# KiCad board 2000ATX.kicad_pcb (continued)
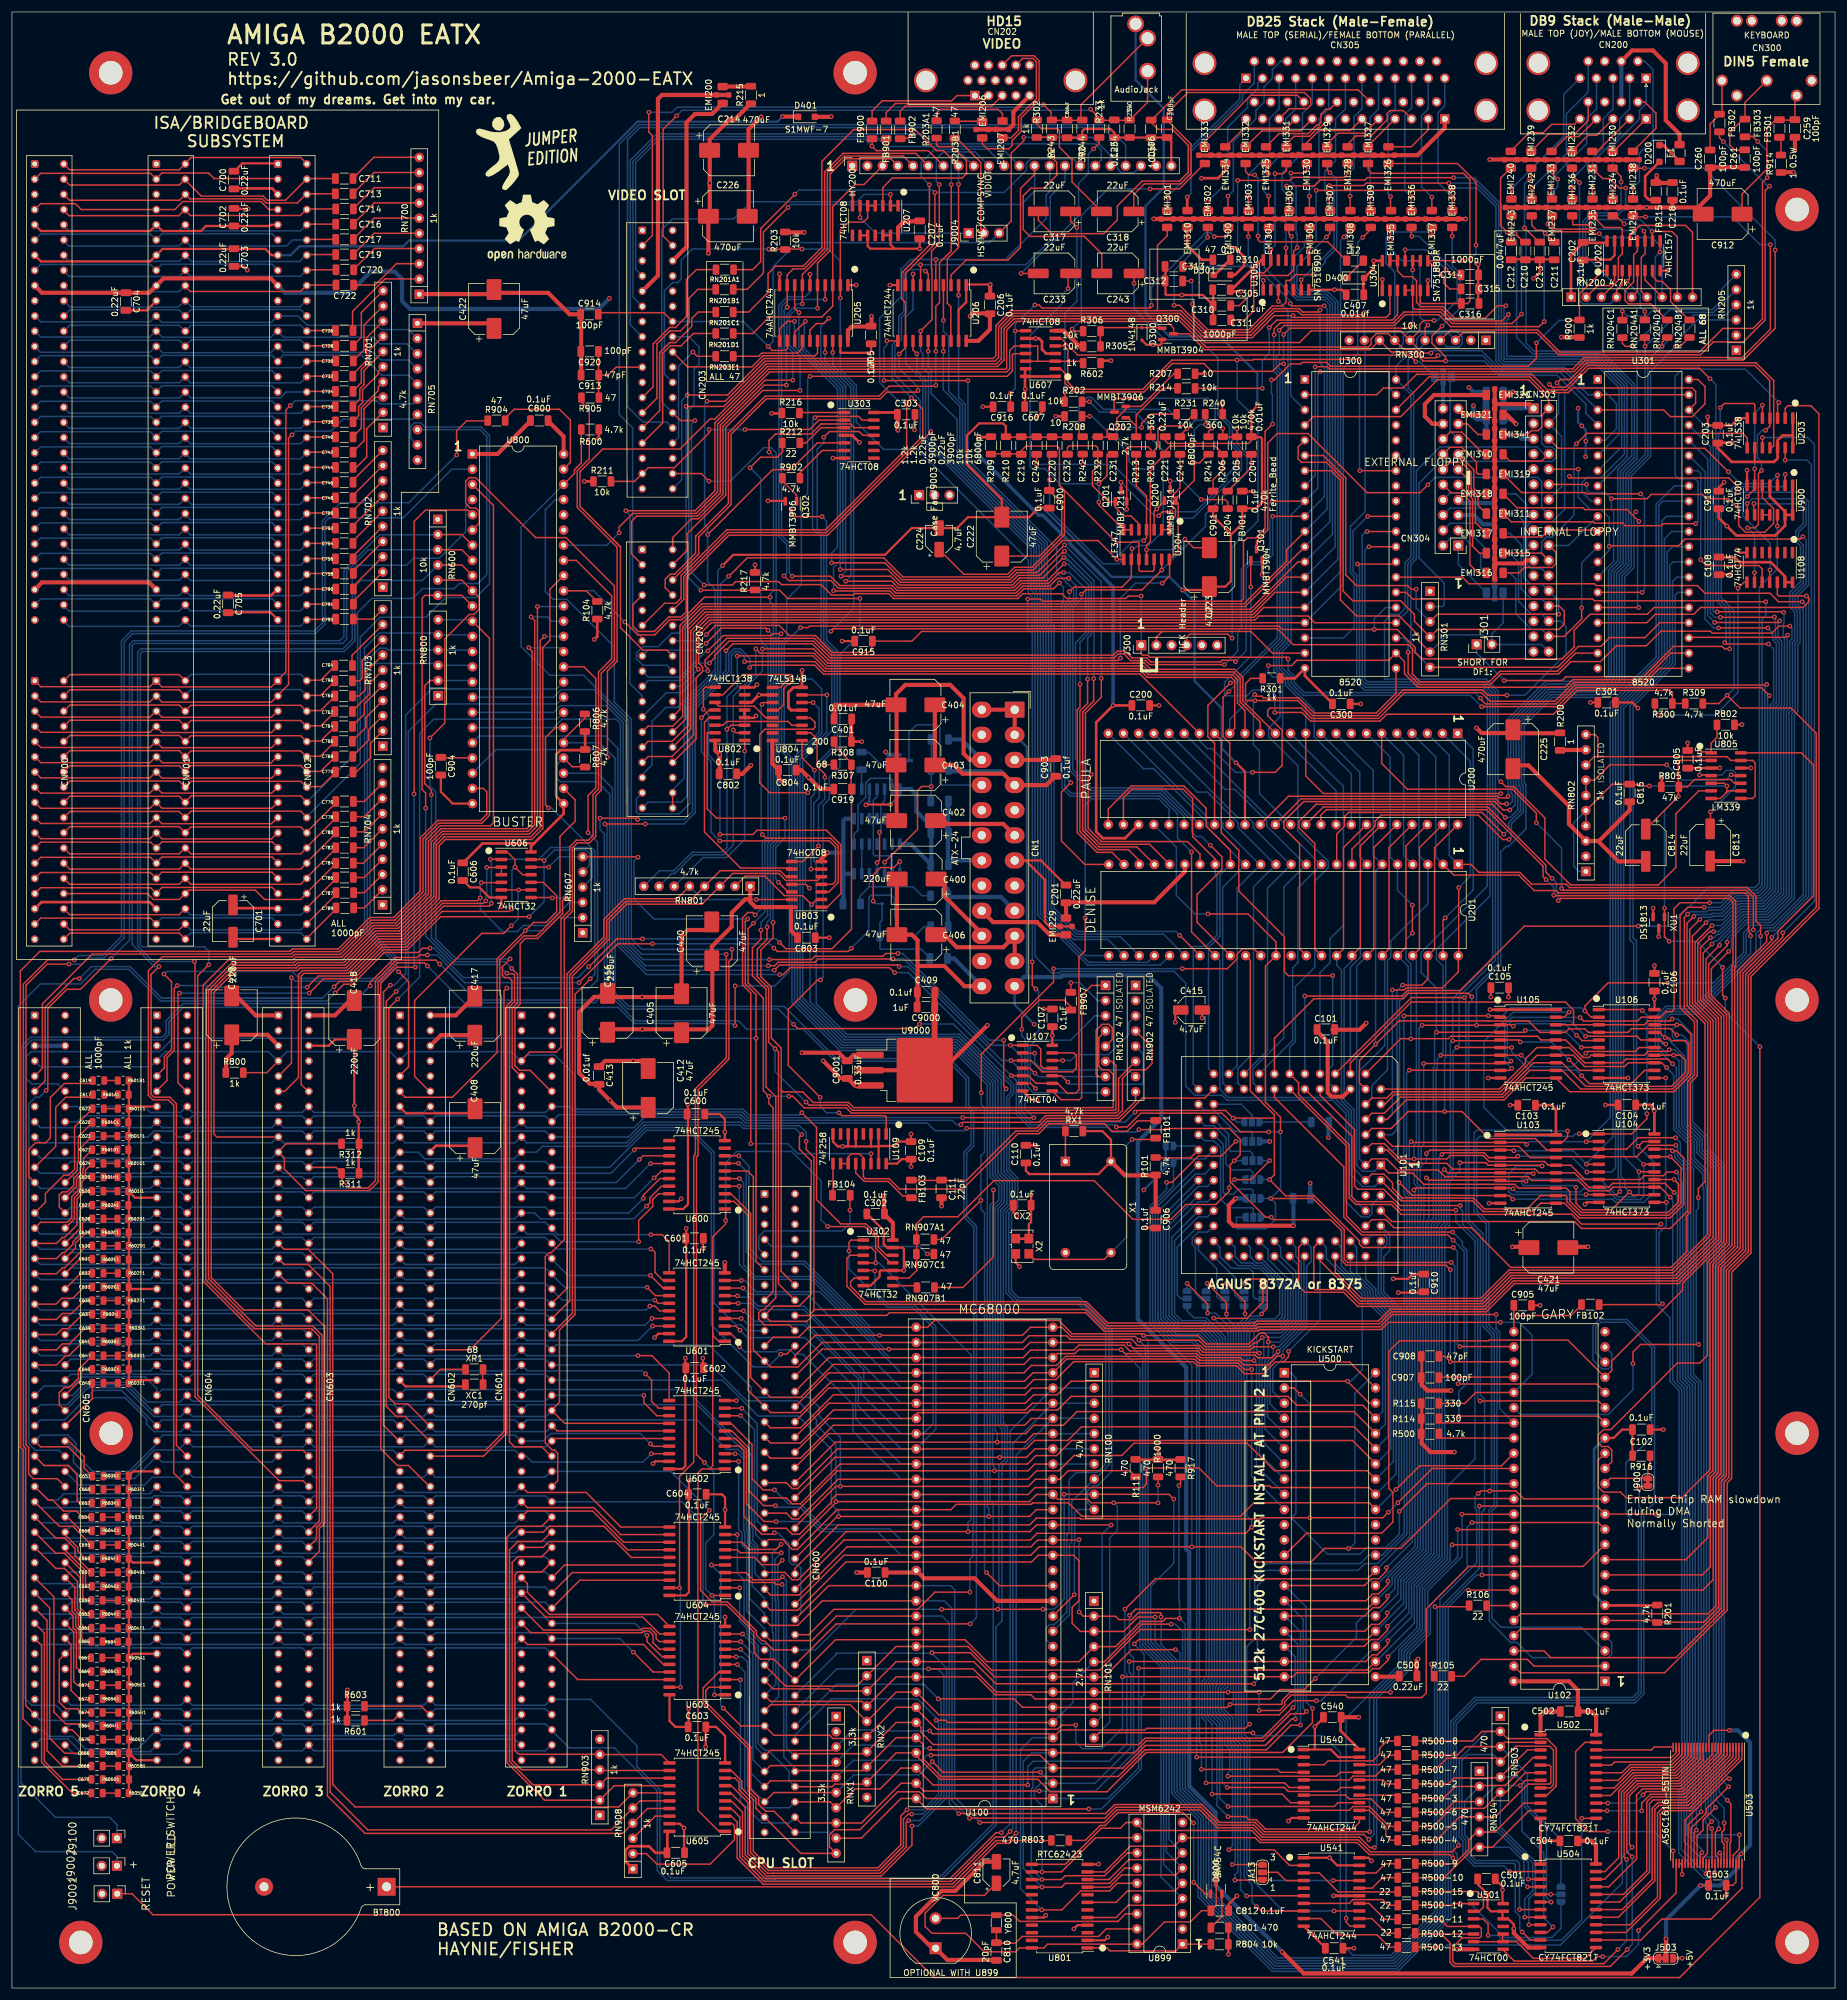
[diagram p0: board, top side]
## Nets (continued)
_UDS: CN600.72 JA10.3 JA11.1 RN101.8 U100.7 U102.11 U605.8
_VC1: CN203.34 CN600.16 RN102.6
_VC3: CN207.17 CN600.14 RN102.4
_VMA: CN600.51 CN601.51 CN602.51 CN603.51 CN604.51 CN605.51 RN101.9 U100.19 U302.2 U302.4
_VPA: CN600.48 CN601.48 CN602.48 CN603.48 CN604.48 CN605.48 R105.1 R1000.2 RN101.10 U100.21
_VSYNC: CN203.26 J300.1 U101.79 U207.1 U207.2
_WE: U101.21 U541.11
_XCLKEN: CN203.16 R217.1 U109.1
A1: CN600.29 U100.29 U101.60 U500.10 U600.2
A2: CN600.27 U100.30 U101.61 U500.9 U600.3 U801.5 U899.4
A3: CN600.26 U100.31 U101.62 U500.8 U600.5 U801.7 U899.5
A4: CN600.24 U100.32 U101.63 U500.7 U600.7 U801.9 U899.6
A5: CN600.21 U100.33 U101.64 U500.6 U600.8 U801.10 U899.7
A6: CN600.23 U100.34 U101.65 U500.5 U600.6
A7: CN600.28 U100.35 U101.66 U500.4 U600.4
A8: CN600.30 U100.36 U101.67 U300.38 U301.38 U500.3 U601.9
A9: CN600.32 U100.37 U101.68 U300.37 U301.37 U500.41 U601.8
A10: CN600.34 U100.38 U101.69 U300.36 U301.36 U500.40 U601.7
A11: CN600.36 U100.39 U101.70 U300.35 U301.35 U500.39 U601.6
A12: CN600.38 U100.40 U101.71 U302.1 U500.38 U601.5
A13: CN600.39 U100.41 U101.72 U302.5 U500.37 U601.4
A14: CN600.41 U100.42 U101.73 U500.36 U601.3
A15: CN600.43 U100.43 U101.74 U500.35 U601.2
A16: CN600.45 U100.44 U101.75 U500.34 U602.9
A17: CN600.47 U100.45 U101.76 U102.33 U500.33 U602.8
A18: CN600.52 U100.46 U101.77 U102.34 U500.2 U602.7
A19: CN600.54 U100.47 U101.59 U102.35 U500.1 U602.6
A20: CN600.56 JA2.1 U100.48 U102.36 U500.42 U602.5
A21: CN600.58 U100.50 U102.37 U602.4
A22: CN600.57 U100.51 U102.38 U602.3
A23: CN600.59 U100.52 U102.39 U602.2
AgnusCLK: C111.1 FB103.1 U101.34
AUDIN: C317.1 R202.1
AUDIO: C204.2 C210.2 C211.2 C212.2 C213.2 C219.2 C220.2 C221.1 C222.2 C223.1 C224.2 C232.2 C242.2 C900.2 C901.1 CN205.S CN207.34 CN207.36 FB401.2 R210.2 U200.34
AUDOUT: C243.2 R243.2 R302.1
B0: HY200.16 RN201A1.1 U206.9
B1: CN207.10 HY200.15 U206.7
B2: CN207.11 HY200.14 U206.5
B3: HY200.13 RN201B1.1 U206.3
BA1: C624.2 CN601.29 CN602.29 CN603.29 CN604.29 CN605.29 U600.18
BA2: C622.2 CN601.27 CN602.27 CN603.27 CN604.27 CN605.27 U600.17
BA3: C621.2 CN601.26 CN602.26 CN603.26 CN604.26 CN605.26 U600.15
BA4: C620.2 CN601.24 CN602.24 CN603.24 CN604.24 CN605.24 U600.13
BA5: C617.2 CN601.21 CN602.21 CN603.21 CN604.21 CN605.21 U600.12
BA6: C619.2 CN601.23 CN602.23 CN603.23 CN604.23 CN605.23 U600.14
BA7: C623.2 CN601.28 CN602.28 CN603.28 CN604.28 CN605.28 U600.16
BA8: C625.2 CN601.30 CN602.30 CN603.30 CN604.30 CN605.30 U601.11
BA9: C627.2 CN601.32 CN602.32 CN603.32 CN604.32 CN605.32 U601.12
BA10: C629.2 CN601.34 CN602.34 CN603.34 CN604.34 CN605.34 U601.13
BA11: C631.2 CN601.36 CN602.36 CN603.36 CN604.36 CN605.36 U601.14
BA12: C632.2 CN601.38 CN602.38 CN603.38 CN604.38 CN605.38 U601.15
BA13: C633.2 CN601.39 CN602.39 CN603.39 CN604.39 CN605.39 U601.16
BA14: C635.2 CN601.41 CN602.41 CN603.41 CN604.41 CN605.41 U601.17
BA15: C637.2 CN601.43 CN602.43 CN603.43 CN604.43 CN605.43 U601.18
BA16: C639.2 CN601.45 CN602.45 CN603.45 CN604.45 CN605.45 U602.11
BA17: C641.2 CN601.47 CN602.47 CN603.47 CN604.47 CN605.47 U602.12
BA18: C645.2 CN601.52 CN602.52 CN603.52 CN604.52 CN605.52 U602.13
BA19: C647.2 CN601.54 CN602.54 CN603.54 CN604.54 CN605.54 U602.14 U800.30
BA20: C649.2 CN601.56 CN602.56 CN603.56 CN604.56 CN605.56 U602.15 U800.31
BA21: C651.2 CN601.58 CN602.58 CN603.58 CN604.58 CN605.58 U602.16 U800.32
BA22: C650.2 CN601.57 CN602.57 CN603.57 CN604.57 CN605.57 U602.17 U800.33
BA23: C652.2 CN601.59 CN602.59 CN603.59 CN604.59 CN605.59 U602.18 U800.34
BD0: C664.2 CN601.75 CN602.75 CN603.75 CN604.75 CN605.75 U603.11
BD1: C666.2 CN601.77 CN602.77 CN603.77 CN604.77 CN605.77 U603.12
BD2: C668.2 CN601.79 CN602.79 CN603.79 CN604.79 CN605.79 U603.13
BD3: C670.2 CN601.81 CN602.81 CN603.81 CN604.81 CN605.81 U603.14
BD4: C672.2 CN601.83 CN602.83 CN603.83 CN604.83 CN605.83 U603.16
BD5: C674.2 CN601.86 CN602.86 CN603.86 CN604.86 CN605.86 U603.18
BD6: C673.2 CN601.84 CN602.84 CN603.84 CN604.84 CN605.84 U603.17
BD7: C671.2 CN601.82 CN602.82 CN603.82 CN604.82 CN605.82 U603.15
BD8: C669.2 CN601.80 CN602.80 CN603.80 CN604.80 CN605.80 U604.18
BD9: C667.2 CN601.78 CN602.78 CN603.78 CN604.78 CN605.78 U604.17
BD10: C665.2 CN601.76 CN602.76 CN603.76 CN604.76 CN605.76 U604.16
BD11: C661.2 CN601.71 CN602.71 CN603.71 CN604.71 CN605.71 U604.15
BD12: C659.2 CN601.69 CN602.69 CN603.69 CN604.69 CN605.69 U604.14
BD13: C657.2 CN601.67 CN602.67 CN603.67 CN604.67 CN605.67 U604.13
BD14: C655.2 CN601.65 CN602.65 CN603.65 CN604.65 CN605.65 U604.12
BD15: C654.2 CN601.63 CN602.63 CN603.63 CN604.63 CN605.63 U604.11
BFC0: C626.2 CN601.31 CN602.31 CN603.31 CN604.31 CN605.31 RN908.6 U605.15
BFC1: C628.2 CN601.33 CN602.33 CN603.33 CN604.33 CN605.33 RN908.5 U605.16
BFC2: C630.2 CN601.35 CN602.35 CN603.35 CN604.35 CN605.35 RN908.4 U605.17
C1: C907.1 JA5.3 JA6.1 U102.28 U107.3 U107.13 U200.28 U201.36 U800.19
C3: C908.1 JA3.1 JA6.3 U102.27 U107.5 U107.9 U200.29 U800.20
D0: CN600.75 RNX1.3 U100.5 U105.2 U106.2 U300.33 U500.14 U603.9 U801.19 U899.14
D1: CN600.77 RNX1.4 U100.4 U105.3 U106.5 U300.32 U500.16 U603.8 U801.16 U899.13
D2: CN600.79 RNX1.5 U100.3 U105.4 U106.6 U300.31 U500.18 U603.7 U801.15 U899.12
D3: CN600.81 RNX1.6 U100.2 U105.5 U106.9 U300.30 U500.20 U603.6 U801.14 U899.11
D4: CN600.83 RNX1.10 U100.1 U105.6 U106.12 U300.29 U500.23 U603.4
D5: CN600.86 RNX1.9 U100.64 U105.7 U106.15 U300.28 U500.25 U603.2
D6: CN600.84 RNX1.8 U100.63 U105.8 U106.16 U300.27 U500.27 U603.3
D7: CN600.82 RNX1.7 U100.62 U105.9 U106.19 U300.26 U500.29 U603.5
D8: CN600.80 RNX2.9 U100.61 U103.2 U104.2 U301.33 U500.15 U604.2
D9: CN600.78 RNX2.8 U100.60 U103.3 U104.5 U301.32 U500.17 U604.3
D10: CN600.76 RNX2.7 U100.59 U103.4 U104.6 U301.31 U500.19 U604.4
D11: CN600.71 RNX2.6 U100.58 U103.5 U104.9 U301.30 U500.21 U604.5
D12: CN600.69 RNX2.5 U100.57 U103.6 U104.12 U301.29 U500.24 U604.6
D13: CN600.67 RNX2.4 U100.56 U103.7 U104.15 U301.28 U500.26 U604.7
D14: CN600.65 RNX2.3 U100.55 U103.8 U104.16 U301.27 U500.28 U604.8
D15: CN600.63 RNX2.2 U100.54 U103.9 U104.19 U301.26 U500.30 U604.9
DIR: CN303.18 EMI317.1 U301.11
DKWE: U102.8 U200.39
DMAL: U101.18 U200.12
DMAOUT: U302.11 U600.1 U601.1 U602.1 U605.1
DOE: CN601.93 CN602.93 CN603.93 CN604.93 CN605.93 R601.2 R904.1
DRA0-G: JA7.1 U101.42 U540.2
DRA1-0: U101.43 U540.4
DRA2-1: U101.44 U540.6
DRA3-2: U101.45 U540.8
DRA4-3: U101.46 U540.11
DRA5-4: U101.47 U540.13
DRA6-5: U101.48 U540.15
DRA7-6: U101.49 U540.17
DRA8: JA12.3 JA13.3
DRA8-7: U101.50 U541.2
DRA9: JA8.1 JA13.1
DRD0: U101.14 U105.18 U106.3 U200.10 U201.7 U503.29
DRD1: U101.13 U105.17 U106.4 U200.9 U201.6 U503.31
DRD2: U101.12 U105.16 U106.7 U200.7 U201.5 U503.33
DRD3: U101.11 U105.15 U106.8 U200.6 U201.4 U503.35
DRD4: U101.10 U105.14 U106.13 U200.5 U201.3 U503.38
DRD5: U101.9 U105.13 U106.14 U200.4 U201.2 U503.40
DRD6: U101.8 U105.12 U106.17 U200.3 U201.1 U503.42
DRD7: U101.7 U105.11 U106.18 U200.2 U201.48 U503.44
DRD8: U101.6 U103.18 U104.3 U200.1 U201.47 U503.30
DRD9: U101.5 U103.17 U104.4 U200.48 U201.46 U503.32
DRD10: U101.4 U103.16 U104.7 U200.47 U201.45 U503.34
DRD11: U101.3 U103.15 U104.8 U200.46 U201.44 U503.36
DRD12: U101.2 U103.14 U104.13 U200.45 U201.43 U503.39
DRD13: U101.1 U103.13 U104.14 U200.44 U201.42 U503.41
DRD14: U101.84 U103.12 U104.17 U200.43 U201.41 U503.43
DRD15: U101.83 U103.11 U104.18 U200.42 U201.40 U503.45
E: CN600.50 CN601.50 CN602.50 CN603.50 CN604.50 CN605.50 U100.20 U300.25 U301.25 XR1.1
E7M: CN601.92 CN602.92 CN603.92 CN604.92 CN605.92 RN907B1.1
ECDAC: CN601.15 CN602.15 CN603.15 CN604.15 CN605.15 RN902.8
FC0: CN600.31 RN100.2 U100.28 U605.5
FC1: CN600.33 RN100.3 U100.27 U605.4
FC2: CN600.35 RN100.4 U100.26 U605.3
FLTLEFT: C244.1 CN203.3 CN205.T R243.1 R244.2
FLTRIGHT: C234.1 CN203.4 CN205.R R233.1 R234.2
G0: CN207.6 HY200.11 U206.12
G1: CN207.7 HY200.10 U206.14
G2: CN207.8 HY200.9 U206.16
G3: HY200.8 RN201C1.1 U206.18
M0H: RN204D1.2 RN205.4 U201.9
M0V: RN204C1.2 RN205.6 U201.38
M1H: RN204B1.2 RN205.3 U201.8
M1V: RN204A1.2 RN205.5 U201.39
Mcc: C503.1 J503.2 U503.12 U503.37 U503.47
OVL: U102.30 U300.2
PBUSY: CN207.18 EMI336.1 RN300.6 U301.2 U301.39
PPD0: CN207.23 EMI302.1 U300.10
PPD1: CN207.24 EMI303.1 U300.11
PPD2: CN207.25 EMI304.1 U300.12
PPD3: CN207.26 EMI305.1 U300.13
PPD4: CN207.27 EMI306.1 U300.14
PPD5: CN207.28 EMI307.1 U300.15
PPD6: CN207.29 EMI308.1 U300.16
PPD7: CN207.30 EMI309.1 U300.17
PPOUT: CN207.16 EMI337.1 RN300.7 U301.3 U301.40
PSEL: CN207.21 EMI338.1 Q300.3 RN300.8 U301.4
PSTROBE: CN203.36 EMI301.1 RN300.9 U300.18
R0: CN207.2 HY200.6 U205.9
R1: CN207.3 HY200.5 U205.7
R2: CN207.4 HY200.4 U205.5
R3: HY200.3 RN201D1.1 U205.3
R_W: CN600.68 RN101.6 U100.9 U101.22 U102.12 U300.22 U301.22 U605.6
RAWLEFT: CN207.33 Q200.2 R240.1 R241.2 U204.14
RAWRIGHT: CN207.35 Q201.2 R230.1 R231.2 U204.8
READ: C658.2 CN601.68 CN602.68 CN603.68 CN604.68 CN605.68 RN903.2 U605.14 U800.35
RGA1: U101.33 U200.26 U201.17
RGA2: U101.32 U200.25 U201.16
RGA3: U101.31 U200.24 U201.15
RGA4: U101.30 U200.23 U201.14
RGA5: U101.29 U200.22 U201.13
RGA6: U101.28 U200.21 U201.12
RGA7: U101.27 U200.20 U201.11
RGA8: U101.26 U200.19 U201.10
TBASE: C915.1 CN207.14 J300.2 U300.19
VCDAC: CN207.15 CN600.15 RN902.6
Vref: C219.1 C224.1 R209.2 R210.1 U204.10 U204.12
XCLK: R212.1 U109.14
XRDY: CN600.18 CN601.18 CN602.18 CN603.18 CN604.18 CN605.18 R114.1 U102.31
Net-(BT800-+): BT800.1 R803.1
Net-(C231-Pad2): C231.2 R231.1 R232.2
Net-(C233-Pad2): C233.2 R233.2
Net-(C241-Pad2): C241.2 R241.1 R242.2
Net-(C259-Pad1): C259.1 C912.1 CN300.5 FB301.1
Net-(C260-Pad1): C260.1 CN300.1 FB302.1
Net-(C304-Pad1): C304.1 C318.1 CN305.36
Net-(C306-Pad1): C306.1 C317.2 CN305.43
Net-(C310-Pad1): C310.1 EMI331.1 U305.13
Net-(C311-Pad1): C311.1 EMI330.1 U305.10
Net-(C312-Pad1): C312.1 EMI329.1 U305.4
Net-(C313-Pad1): C313.1 EMI328.1 U305.1
Net-(C314-Pad2): C314.2 EMI325.1 U304.11
Net-(C315-Pad2): C315.2 EMI326.1 U304.8
Net-(C316-Pad2): C316.2 EMI327.1 U304.6
Net-(C318-Pad2): C318.2 R302.2
Net-(C617-Pad1): C617.1 R601A1.2
Net-(C619-Pad1): C619.1 R601B1.2
Net-(C620-Pad1): C620.1 R601C1.2
Net-(C621-Pad1): C621.1 R601D1.2
Net-(C622-Pad1): C622.1 R601E1.2
Net-(C623-Pad1): C623.1 R601F1.2
Net-(C624-Pad1): C624.1 R601G1.2
Net-(C625-Pad1): C625.1 R601H1.2
Net-(C626-Pad1): C626.1 R601I1.2
Net-(C627-Pad1): C627.1 R602A1.2
Net-(C628-Pad1): C628.1 R602B1.2
Net-(C629-Pad1): C629.1 R602C1.2
Net-(C630-Pad1): C630.1 R602D1.2
Net-(C631-Pad1): C631.1 R602E1.2
Net-(C632-Pad1): C632.1 R602F1.2
Net-(C633-Pad1): C633.1 R602G1.2
Net-(C635-Pad1): C635.1 R602H1.2
Net-(C637-Pad1): C637.1 R602I1.2
Net-(C639-Pad1): C639.1 R603A1.2
Net-(C641-Pad1): C641.1 R603B1.2
Net-(C645-Pad1): C645.1 R603C1.2
Net-(C647-Pad1): C647.1 R603D1.2
Net-(C649-Pad1): C649.1 R603E1.2
Net-(C650-Pad1): C650.1 R603F1.2
Net-(C651-Pad1): C651.1 R603G1.2
Net-(C652-Pad1): C652.1 R603H1.2
Net-(C654-Pad1): C654.1 R603I1.2
Net-(C655-Pad1): C655.1 R604A1.2
Net-(C657-Pad1): C657.1 R604B1.2
Net-(C658-Pad1): C658.1 R604C1.2
Net-(C659-Pad1): C659.1 R604D1.2
Net-(C660-Pad1): C660.1 R604E1.2
Net-(C661-Pad1): C661.1 R604F1.2
Net-(C662-Pad1): C662.1 R604G1.2
Net-(C663-Pad1): C663.1 R604H1.2
Net-(C664-Pad1): C664.1 R604I1.2
Net-(C665-Pad1): C665.1 R604.2
Net-(C666-Pad1): C666.1 R605.2
Net-(C667-Pad1): C667.1 R605A1.2
Net-(C668-Pad1): C668.1 R605B1.2
Net-(C669-Pad1): C669.1 R605C1.2
Net-(C670-Pad1): C670.1 R605D1.2
Net-(C671-Pad1): C671.1 R605E1.2
Net-(C672-Pad1): C672.1 R605F1.2
Net-(C673-Pad1): C673.1 R605G1.2
Net-(C674-Pad1): C674.1 R605H1.2
Net-(C675-Pad1): C675.1 R605I1.2
Net-(C711-Pad2): C711.2 CN700.A2 CN701.A2 CN702.A2
Net-(C713-Pad2): C713.2 CN700.A3 CN701.A3 CN702.A3
Net-(C714-Pad2): C714.2 CN700.A4 CN701.A4 CN702.A4
Net-(C716-Pad2): C716.2 CN700.A5 CN701.A5 CN702.A5
Net-(C717-Pad2): C717.2 CN700.A6 CN701.A6 CN702.A6
Net-(C719-Pad2): C719.2 CN700.A7 CN701.A7 CN702.A7
Net-(C720-Pad2): C720.2 CN700.A8 CN701.A8 CN702.A8
Net-(C722-Pad2): C722.2 CN700.A9 CN701.A9 CN702.A9
Net-(C726-Pad2): C726.2 CN700.A12 CN701.A12 CN702.A12
Net-(C728-Pad2): C728.2 CN700.A13 CN701.A13 CN702.A13
Net-(C730-Pad2): C730.2 CN700.A14 CN701.A14 CN702.A14
Net-(C732-Pad2): C732.2 CN700.A15 CN701.A15 CN702.A15
Net-(C734-Pad2): C734.2 CN700.A16 CN701.A16 CN702.A16
Net-(C736-Pad2): C736.2 CN700.A17 CN701.A17 CN702.A17
Net-(C738-Pad2): C738.2 CN700.A18 CN701.A18 CN702.A18
Net-(C740-Pad2): C740.2 CN700.A19 CN701.A19 CN702.A19
Net-(C742-Pad2): C742.2 CN700.A20 CN701.A20 CN702.A20
Net-(C744-Pad2): C744.2 CN700.A21 CN701.A21 CN702.A21
Net-(C746-Pad2): C746.2 CN700.A22 CN701.A22 CN702.A22
Net-(C748-Pad2): C748.2 CN700.A23 CN701.A23 CN702.A23
Net-(C750-Pad2): C750.2 CN700.A24 CN701.A24 CN702.A24
Net-(C752-Pad2): C752.2 CN700.A25 CN701.A25 CN702.A25
Net-(C754-Pad2): C754.2 CN700.A26 CN701.A26 CN702.A26
Net-(C756-Pad2): C756.2 CN700.A27 CN701.A27 CN702.A27
Net-(C758-Pad2): C758.2 CN700.A28 CN701.A28 CN702.A28
Net-(C760-Pad2): C760.2 CN700.C3 CN701.C3 CN702.C3
Net-(C762-Pad2): C762.2 CN700.C4 CN701.C4 CN702.C4
Net-(C764-Pad2): C764.2 CN700.C5 CN701.C5 CN702.C5
Net-(C766-Pad2): C766.2 CN700.C6 CN701.C6 CN702.C6
Net-(C768-Pad2): C768.2 CN700.C7 CN701.C7 CN702.C7
Net-(C770-Pad2): C770.2 CN700.C8 CN701.C8 CN702.C8
Net-(C776-Pad2): C776.2 CN700.C11 CN701.C11 CN702.C11
Net-(C778-Pad2): C778.2 CN700.C12 CN701.C12 CN702.C12
Net-(C780-Pad2): C780.2 CN700.C13 CN701.C13 CN702.C13
Net-(C782-Pad2): C782.2 CN700.C14 CN701.C14 CN702.C14
Net-(C784-Pad2): C784.2 CN700.C15 CN701.C15 CN702.C15
Net-(C786-Pad2): C786.2 CN700.C16 CN701.C16 CN702.C16
Net-(C787-Pad2): C787.2 CN700.C17 CN701.C17 CN702.C17
Net-(C789-Pad2): C789.2 CN700.C18 CN701.C18 CN702.C18
Net-(C790-Pad2): C790.2 CN700.A29 CN701.A29 CN702.A29
Net-(C791-Pad2): C791.2 CN700.A30 CN701.A30 CN702.A30
Net-(C793-Pad2): C793.2 CN700.A31 CN701.A31 CN702.A31
Net-(C794-Pad2): C794.2 CN700.C1 CN701.C1 CN702.C1
Net-(C796-Pad2): C796.2 CN700.C2 CN701.C2 CN702.C2
Net-(C9103-Pad1): C9103.1 R9103.2 U9101.5
Net-(C9105-Pad1): C9105.1 R9102.2 R9105.1 U9101.3
Net-(CN200-Pad1): CN200.1 EMI234.2
Net-(CN200-Pad2): CN200.2 EMI235.2
Net-(CN200-Pad3): CN200.3 EMI236.2
Net-(CN200-Pad4): CN200.4 EMI237.2
Net-(CN200-Pad5): CN200.5 EMI243.2
Net-(CN200-Pad9): CN200.9 EMI242.2
Net-(CN200-Pad10): CN200.10 EMI230.2
Net-(CN200-Pad11): CN200.11 EMI231.2
Net-(CN200-Pad12): CN200.12 EMI232.2
Net-(CN200-Pad13): CN200.13 EMI233.2
Net-(CN200-Pad14): CN200.14 EMI240.1
Net-(CN200-Pad15): CN200.15 EMI238.1
Net-(CN200-Pad18): CN200.18 EMI239.1
Net-(CN202-Pad1): CN202.1 FB900.1
Net-(CN202-Pad2): CN202.2 FB901.1
Net-(CN202-Pad3): CN202.3 FB902.1
Net-(CN202-Pad13): CN202.13 EMI206.2
Net-(CN202-Pad14): CN202.14 EMI207.2
Net-(CN203-Pad23): CN203.23 RN201A1.2
Net-(CN203-Pad25): CN203.25 RN201B1.2
Net-(CN203-Pad27): CN203.27 RN201C1.2
Net-(CN203-Pad29): CN203.29 RN201D1.2
Net-(CN203-Pad33): CN203.33 R211.2 U303.2
Net-(CN304-Pin_1): CN304.1 EMI322.2
Net-(CN304-Pin_2): CN304.2 EMI313.2
Net-(CN304-Pin_3): CN304.3 EMI323.2
Net-(CN304-Pin_4): CN304.4 EMI324.2
Net-(CN304-Pin_6): CN304.6 EMI339.2
Net-(CN304-Pin_8): CN304.8 EMI314.2
Net-(CN304-Pin_9): CN304.9 EMI315.2
Net-(CN304-Pin_10): CN304.10 EMI316.2
Net-(CN304-Pin_11): CN304.11 EMI317.2
Net-(CN304-Pin_12): CN304.12 EMI311.2
Net-(CN304-Pin_13): CN304.13 EMI318.2
Net-(CN304-Pin_14): CN304.14 EMI319.2
Net-(CN304-Pin_15): CN304.15 EMI312.2
Net-(CN304-Pin_16): CN304.16 EMI340.2
Net-(CN304-Pin_17): CN304.17 EMI341.2
Net-(CN304-Pin_18): CN304.18 EMI320.2
Net-(CN304-Pin_19): CN304.19 EMI321.2
Net-(CN305-Pad1): CN305.1 EMI301.2
Net-(CN305-Pad2): CN305.2 EMI302.2
Net-(CN305-Pad3): CN305.3 EMI303.2
Net-(CN305-Pad4): CN305.4 EMI304.2
Net-(CN305-Pad5): CN305.5 EMI305.2
Net-(CN305-Pad6): CN305.6 EMI306.2
Net-(CN305-Pad7): CN305.7 EMI307.2
Net-(CN305-Pad8): CN305.8 EMI308.2
Net-(CN305-Pad9): CN305.9 EMI309.2
Net-(CN305-Pad10): CN305.10 EMI335.2
Net-(CN305-Pad11): CN305.11 EMI336.2
Net-(CN305-Pad12): CN305.12 EMI337.2
Net-(CN305-Pad13): CN305.13 EMI338.2
Net-(CN305-Pad27): CN305.27 EMI326.2
Net-(CN305-Pad28): CN305.28 EMI328.2
Net-(CN305-Pad29): CN305.29 EMI327.2
Net-(CN305-Pad30): CN305.30 EMI329.2
Net-(CN305-Pad31): CN305.31 EMI330.2
Net-(CN305-Pad33): CN305.33 EMI331.2
Net-(CN305-Pad34): CN305.34 EMI332.1
Net-(CN305-Pad35): CN305.35 EMI334.1
Net-(CN305-Pad45): CN305.45 EMI325.2
Net-(CN305-Pad47): CN305.47 EMI333.1
Net-(CN305A-P14): CN305.14 EMI310.1
Net-(CN305A-P16): CN305.16 EMI300.1
Net-(CN601-Pad97): CN601.97 CN602.97 CN603.97 CN604.97 CN605.97
Net-(CN601-Pad98): CN601.98 CN602.98 CN603.98 CN604.98 CN605.98
Net-(CN700-PadA1): CN700.A1 CN701.A1 CN702.A1
Net-(CN700-PadA10): CN700.A10 CN701.A10 CN702.A10
Net-(CN700-PadA11): CN700.A11 CN701.A11 CN702.A11
Net-(CN700-PadB2): CN700.B2 CN701.B2 CN702.B2
Net-(CN700-PadB4): CN700.B4 CN701.B4 CN702.B4
Net-(CN700-PadB6): CN700.B6 CN701.B6 CN702.B6
Net-(CN700-PadB8): CN700.B8 CN701.B8 CN702.B8
Net-(CN700-PadB15): CN700.B15 CN701.B15 CN702.B15
Net-(CN700-PadB16): CN700.B16 CN701.B16 CN702.B16
Net-(CN700-PadB17): CN700.B17 CN701.B17 CN702.B17
Net-(CN700-PadB18): CN700.B18 CN701.B18 CN702.B18
Net-(CN700-PadB19): CN700.B19 CN701.B19 CN702.B19
Net-(CN700-PadB20): CN700.B20 CN701.B20 CN702.B20
Net-(CN700-PadB21): CN700.B21 CN701.B21 CN702.B21
Net-(CN700-PadB22): CN700.B22 CN701.B22 CN702.B22
Net-(CN700-PadB23): CN700.B23 CN701.B23 CN702.B23
Net-(CN700-PadB24): CN700.B24 CN701.B24 CN702.B24
Net-(CN700-PadB25): CN700.B25 CN701.B25 CN702.B25
Net-(CN700-PadB26): CN700.B26 CN701.B26 CN702.B26
Net-(CN700-PadB27): CN700.B27 CN701.B27 CN702.B27
Net-(CN700-PadB28): CN700.B28 CN701.B28 CN702.B28
Net-(CN700-PadB30): CN700.B30 CN701.B30 CN702.B30
Net-(CN700-PadD3): CN700.D3 CN701.D3 CN702.D3
Net-(CN700-PadD4): CN700.D4 CN701.D4 CN702.D4
Net-(CN700-PadD5): CN700.D5 CN701.D5 CN702.D5
Net-(CN700-PadD6): CN700.D6 CN701.D6 CN702.D6
Net-(CN700-PadD7): CN700.D7 CN701.D7 CN702.D7
Net-(CN700-PadD8): CN700.D8 CN701.D8 CN702.D8
Net-(CN700-PadD9): CN700.D9 CN701.D9 CN702.D9
Net-(CN700-PadD10): CN700.D10 CN701.D10 CN702.D10
Net-(CN700-PadD11): CN700.D11 CN701.D11 CN702.D11
Net-(CN700-PadD12): CN700.D12 CN701.D12 CN702.D12
Net-(CN700-PadD13): CN700.D13 CN701.D13 CN702.D13
Net-(CN700-PadD14): CN700.D14 CN701.D14 CN702.D14
Net-(CN700-PadD15): CN700.D15 CN701.D15 CN702.D15
Net-(CN700-PadD17): CN700.D17 CN701.D17 CN702.D17
Net-(D200-A): D200.2 FB215.2
Net-(D200-K): D200.1 F1.1
Net-(D300-K): D300.1 Q300.1 R305.1 R306.2
Net-(D301-K): D301.1 R310.2
Net-(D400-K): D400.1 F2.1
Net-(D401-A): D401.2 EMI334.2
Net-(D800-Pad1): D800.1 R803.2
Net-(D800-Pad2): D800.2 R801.2
Net-(D9100-A): D9100.2 J9100.1 R9100.2 R9101.2
Net-(D9100-K): C9104.1 D9100.1 R9101.1 U9101.1
Net-(EMI200-Pad2): EMI200.2 R215.2
Net-(EMI206-Pad1): EMI206.1 R203B1.1
Net-(EMI207-Pad1): EMI207.1 R203A1.1
Net-(EMI310-Pad2): EMI310.2 R310.1
Net-(EMI320-Pad1): EMI320.1 F3.1
Net-(EMI321-Pad1): EMI321.1 F4.1
Net-(EMI332-Pad2): EMI332.2 F2.2
Net-(EMI333-Pad2): EMI333.2 R306.1
Net-(FB301-Pad2): FB301.2 R914.2
Net-(J102-B): J102.2 R101.2 U101.41
Net-(J301-Pin_1): J301.1 U203.6
Net-(J900-B): J900.2 R916.1 U102.14
Net-(J9002-Pin_1): C919.1 J9002.1 R307.1 R308.2
Net-(J9004-A): J9004.1 U207.6
Net-(J9004-C): J9004.2 R203B1.2
Net-(JA1-B): JA1.3 R109.2
Net-(JA1-C): JA1.2 U101.36
Net-(JA2-C): JA2.2 U101.35
Net-(JA3-C): JA3.2 U101.38
Net-(JA4-C): JA4.2 U101.37
Net-(JA5-A): C112.2 JA5.1
Net-(JA5-C): JA5.2 U101.40
Net-(JA6-C): JA6.2 U101.39
Net-(JA8-C): JA8.2 U101.55
Net-(JA9-C): JA9.2 U101.54
Net-(JA10-C): JA10.2 U101.53
Net-(JA11-C): JA11.2 U101.52
Net-(JA12-C): JA12.2 U101.51
Net-(JA13-C): JA13.2 U541.4
Net-(Q200-G): Q200.3 R204.2
Net-(Q200-S): C242.1 Q200.1 R242.1 U204.3
Net-(Q201-G): Q201.3 R205.2
Net-(Q201-S): C232.1 Q201.1 R232.1 U204.5
Net-(Q202-B): Q202.1 R213.2 R214.2
Net-(Q202-C): C204.1 Q202.3 R204.1 R205.1 R206.1
Net-(Q301-B): Q301.1 R300.1 R309.1
Net-(Q302-B): Q302.1 R902.1
Net-(Q302-C): Q302.3 R307.2
Net-(Q9100-B): Q9100.1 R9104.1
Net-(R203A1-Pad2): R203A1.2 U207.3
Net-(R212-Pad2): R212.2 U303.3
Net-(R216-Pad2): R216.2 U303.1
Net-(R902-Pad2): R902.2 U303.6
Net-(RN100-R7): RN100.8 U100.12 U303.11
Net-(RN102A-R1.1): RN102.1 U107.8
Net-(RN102A-R1.2): FB907.2 RN102.2
Net-(RN102B-R2.1): RN102.3 U107.6
Net-(RN102C-R3.1): RN102.5 RN102.7 U107.4
Net-(RN200-R1): EMI230.1 RN200.2 U202.2
Net-(RN200-R2): EMI235.1 RN200.3 U202.14
Net-(RN200-R3): EMI232.1 RN200.4 U202.3
Net-(RN200-R4): EMI231.1 RN200.5 U202.5
Net-(RN200-R5): EMI234.1 RN200.6 U202.11
Net-(RN200-R6): EMI233.1 RN200.7 U202.6
Net-(RN200-R7): EMI236.1 RN200.8 U202.10
Net-(RN200-R8): EMI237.1 RN200.9 U202.13
Net-(RN300-R3): FB303.2 RN300.4 U300.39
Net-(RN700-R1): C726.1 RN700.2
Net-(RN700-R2): C722.1 RN700.3
Net-(RN700-R3): C720.1 RN700.4
Net-(RN700-R4): C719.1 RN700.5
Net-(RN700-R5): C717.1 RN700.6
Net-(RN700-R6): C716.1 RN700.7
Net-(RN700-R7): C714.1 RN700.8
Net-(RN700-R8): C713.1 RN700.9
Net-(RN700-R9): C711.1 RN700.10
Net-(RN701-R1): C744.1 RN701.2
Net-(RN701-R2): C742.1 RN701.3
Net-(RN701-R3): C740.1 RN701.4
Net-(RN701-R4): C738.1 RN701.5
Net-(RN701-R5): C736.1 RN701.6
Net-(RN701-R6): C734.1 RN701.7
Net-(RN701-R7): C732.1 RN701.8
Net-(RN701-R8): C730.1 RN701.9
Net-(RN701-R9): C728.1 RN701.10
Net-(RN702-R1): C791.1 RN702.2
Net-(RN702-R2): C790.1 RN702.3
Net-(RN702-R3): C758.1 RN702.4
Net-(RN702-R4): C756.1 RN702.5
Net-(RN702-R5): C754.1 RN702.6
Net-(RN702-R6): C752.1 RN702.7
Net-(RN702-R7): C750.1 RN702.8
Net-(RN702-R8): C748.1 RN702.9
Net-(RN702-R9): C746.1 RN702.10
Net-(RN703-R1): C770.1 RN703.2
Net-(RN703-R2): C768.1 RN703.3
Net-(RN703-R3): C766.1 RN703.4
Net-(RN703-R4): C764.1 RN703.5
Net-(RN703-R5): C762.1 RN703.6
Net-(RN703-R6): C760.1 RN703.7
Net-(RN703-R7): C796.1 RN703.8
Net-(RN703-R8): C794.1 RN703.9
Net-(RN703-R9): C793.1 RN703.10
Net-(RN704-R1): C789.1 RN704.2
Net-(RN704-R2): C787.1 RN704.3
Net-(RN704-R3): C786.1 RN704.4
Net-(RN704-R4): C784.1 RN704.5
Net-(RN704-R5): C782.1 RN704.6
Net-(RN704-R6): C780.1 RN704.7
Net-(RN704-R7): C778.1 RN704.8
Net-(RN704-R8): C776.1 RN704.9
Net-(RN705-R1): CN700.B11 CN701.B11 CN702.B11 RN705.2
Net-(RN705-R2): CN700.B12 CN701.B12 CN702.B12 RN705.3
Net-(RN705-R3): CN700.B13 CN701.B13 CN702.B13 RN705.4
Net-(RN705-R4): CN700.B14 CN701.B14 CN702.B14 RN705.5
Net-(RN705-R5): CN700.D1 CN701.D1 CN702.D1 RN705.6
Net-(RN705-R6): CN700.D2 CN701.D2 CN702.D2 RN705.7
Net-(RN705-R7): CN700.C9 CN701.C9 CN702.C9 RN705.8
Net-(RN705-R8): CN700.C10 CN701.C10 CN702.C10 RN705.9
Net-(RN802A-R1.1): C815.1 RN802.1 RN802.4 RN802.5 U805.5 U805.7 U805.9
Net-(RN802C-R3.2): RN802.6 RN802.7 U805.11
Net-(RN802D-R4.2): RN802.8 RN802.10 U805.8 U805.13
Net-(RN902B-R2.1): RN902.3 U107.12
Net-(RN902C-R3.1): RN902.5 U107.10
Net-(RN902D-R4.1): RN902.7 U107.2
Net-(RN907B1-Pad2): RN907B1.2 U302.8
Net-(RN908-R1): RN908.2 U605.2
Net-(RN908-R2): RN908.3 U605.18
Net-(U102A-_BLIT): U102.15 U900.8
Net-(U102A-_DTACK): R106.2 U102.43
Net-(U102A-_LATCH): C905.1 FB102.2 U102.25
Net-(U102A-_VPA): R105.2 U102.2
Net-(U102C-DKWDB): U102.45 U203.10
Net-(U102C-DKWEB): U102.44 U203.13
Net-(U102C-MTRON): R309.2 U102.46 U900.2
Net-(U102C-MTRX): U102.47 U203.2
Net-(U108B-C): U108.11 U203.5 U900.6
Net-(U108B-~{Q}): R300.2 U108.8
Net-(U109-I0d): FB101.2 U109.10 U109.11 U109.13
Net-(U109-Zc): FB103.2 U109.12
Net-(U109-Zd): FB104.1 U109.9
Net-(U200-LEFT): R240.2 U200.31 U204.13
Net-(U200-P0X): C210.1 EMI243.1 U200.32
Net-(U200-P0Y): C211.1 EMI242.1 U200.33
Net-(U200-P1X): C212.1 EMI240.2 U200.35
Net-(U200-P1Y): C213.1 EMI239.2 U200.36
Net-(U200-RIGHT): R202.2 R230.2 U200.30 U204.9
Net-(U201A-B0): U201.24 U206.11
Net-(U201A-B1): U201.25 U206.13
Net-(U201A-B2): U201.26 U206.15
Net-(U201A-B3): U201.27 U206.17
Net-(U201A-BURST): U201.18 U205.4
Net-(U201A-G0): U201.28 U206.8
Net-(U201A-G1): U201.29 U206.6
Net-(U201A-G2): U201.30 U206.4
Net-(U201A-G3): U201.31 U206.2
Net-(U201A-PIXELSW): U201.33 U205.6
Net-(U201A-R0): U201.20 U205.11
Net-(U201A-R1): U201.21 U205.13
Net-(U201A-R2): U201.22 U205.15
Net-(U201A-R3): U201.23 U205.17
Net-(U201B-VCC): C201.1 EMI229.2 U201.19
Net-(U202-Za): RN204A1.1 U202.4
Net-(U202-Zb): RN204B1.1 U202.7
Net-(U202-Zc): RN204C1.1 U202.9
Net-(U202-Zd): RN204D1.1 U202.12
Net-(U204A--): C241.1 C243.1 U204.1 U204.2
Net-(U204B-+): C231.1 C233.1 U204.6 U204.7
Net-(U205-1Y2): RN203E1.2 U205.14
Net-(U300A-_CS): U300.23 U302.3
Net-(U301A-_CS): U301.23 U302.6
Net-(U540-O0a): R500-1.2 U540.18
Net-(U540-O0b): R500-5.2 U540.9
Net-(U540-O1a): R500-2.2 U540.16
Net-(U540-O1b): R500-6.2 U540.7
Net-(U540-O2a): R500-3.2 U540.14
Net-(U540-O2b): R500-7.2 U540.5
Net-(U540-O3a): R500-4.2 U540.12
Net-(U540-O3b): R500-8.2 U540.3
Net-(U541-O0a): R500-9.2 U541.18
Net-(U541-O0b): R500-13.2 U541.9
Net-(U541-O1a): R500-10.2 U541.16
Net-(U541-O1b): R500-14.2 U541.7
Net-(U541-O2a): R500-11.2 U541.14
Net-(U541-O3a): R500-12.2 U541.12
Net-(U541-O3b): R500-15.2 U541.3
Net-(U800A-_C4): R905.2 U800.22
Net-(U800A-DOE): R904.2 U800.47
Net-(U802-O0): U802.15 U803.12
Net-(U802-O1): U802.14 U804.3
Net-(U802-O2): U802.13 U803.9
Net-(U802-O3): U802.12 U803.4
Net-(U802-O4): U802.11 U804.13
Net-(U802-O5): U802.10 U804.12
Net-(U802-O6): U802.9 U803.1
Net-(U804-I1): U803.3 U804.11
Net-(U804-I4): U803.6 U804.1
Net-(U804-I5): U803.8 U804.2
Net-(U804-I7): U803.11 U804.4
Net-(U805A--): C813.1 R802.1 U805.1 U805.4
Net-(U899-_XT): C810.1 U899.17 Y800.1
